# Altium PCB pcb.PcbDoc
Units mm, origin at the board's own origin, x right, y up, seen from the top; angles counter-clockwise.
Board outline 115 x 202.3 mm, 2 copper layers (Top Layer, Bottom Layer), stack 1.571 mm thick; 49 components, 120 nets, 339 pads, 0 vias.
Unrouted connection lines stored in the file: 211.
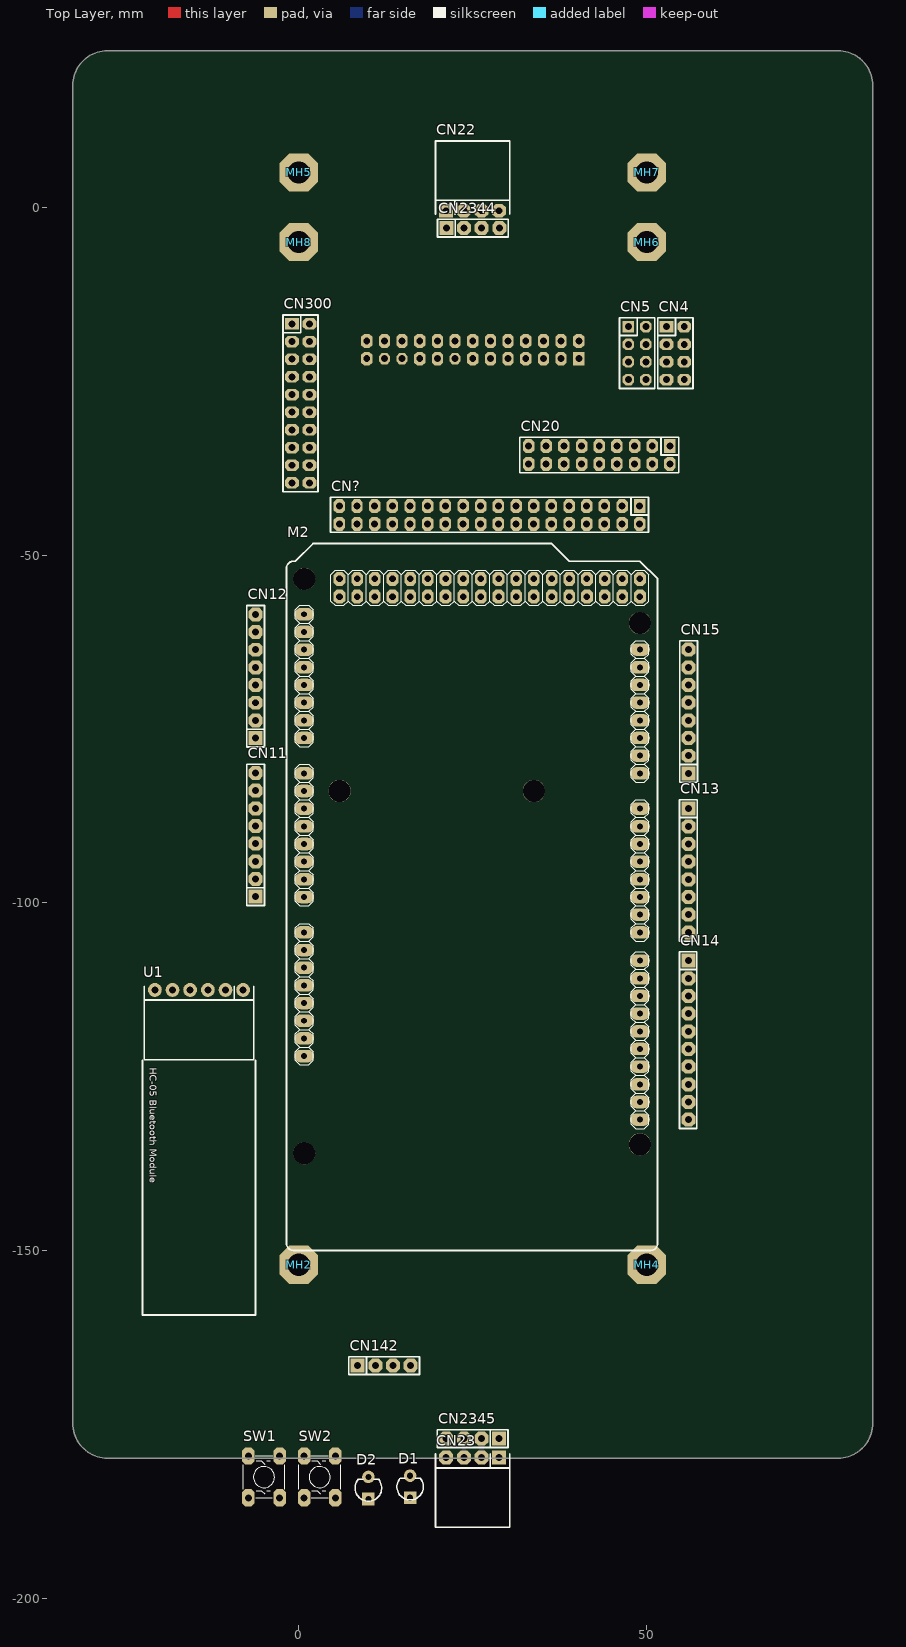
[diagram p0: Top Layer view]
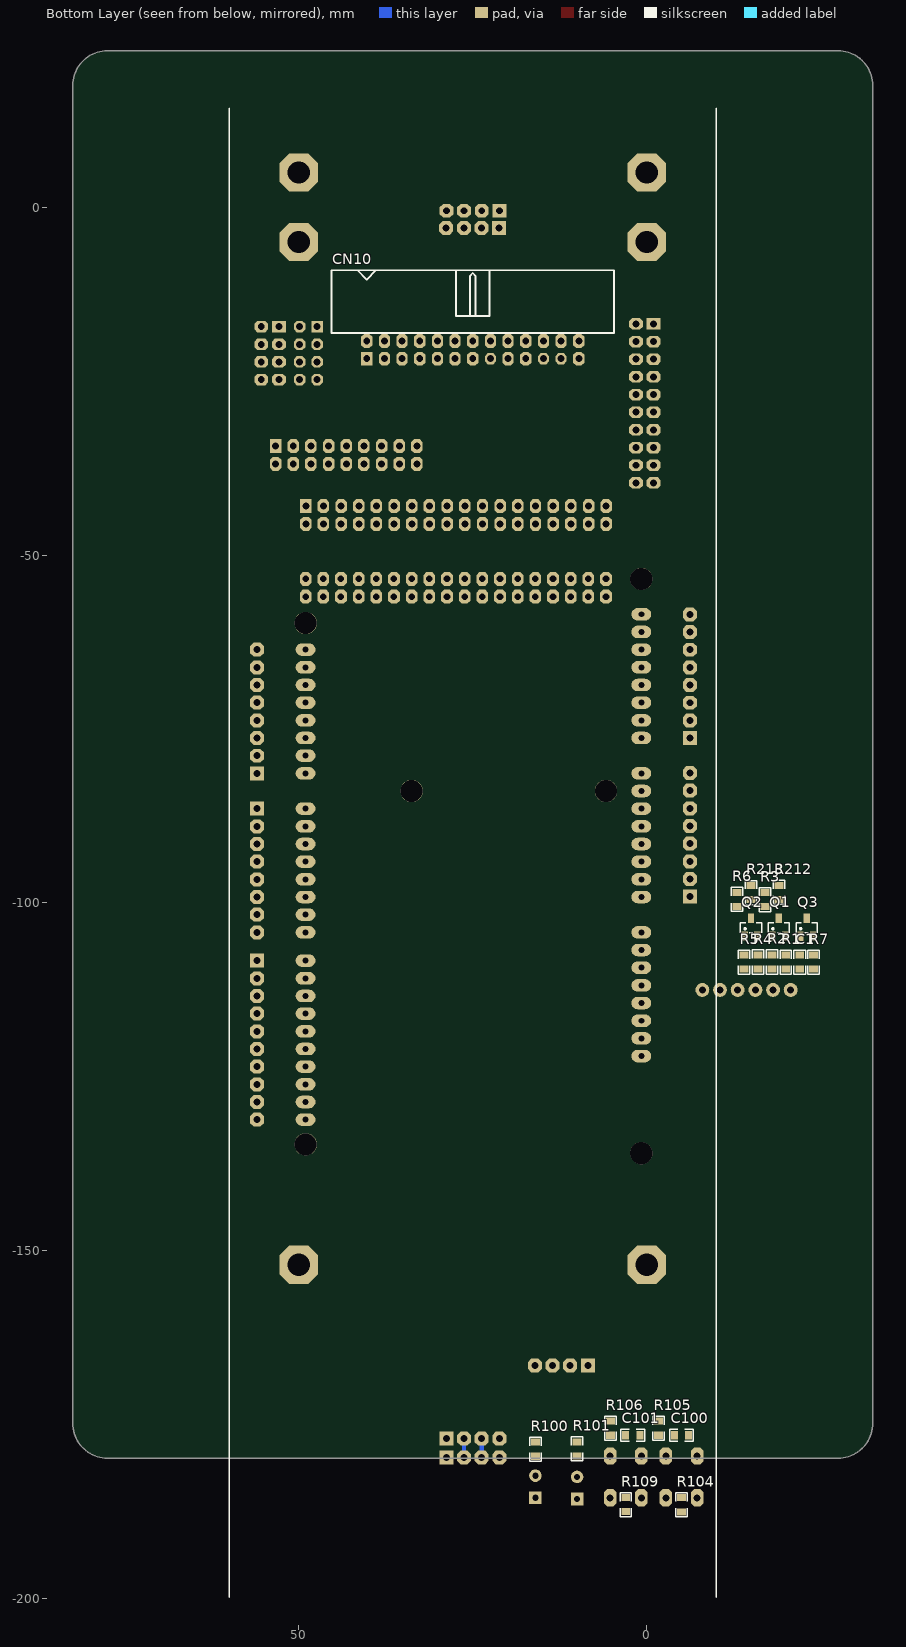
[diagram p1: Bottom Layer view, seen from below]

## Layer stack, top to bottom
Top Solder: solder mask 0.0102, Solder Resist, Dk 3.5
Top Layer: signal copper 0.0356
Dielectric 1: dielectric 1.5, FR-4, Dk 4.8
Bottom Layer: signal copper 0.0356
Bottom Solder: solder mask 0.0102, Solder Resist, Dk 3.5

## Board outline
-32.5,-174.8 ccw(c-27.5,-174.8) -27.5,-179.8 77.5,-179.8 ccw(c77.5,-174.8) 82.5,-174.8 82.5,17.5 ccw(c77.5,17.5) 77.5,22.5 -27.5,22.5 ccw(c-27.5,17.5) -32.5,17.5

## Design rules (kind name [scope] priority, off if disabled: settings)
Clearance [All] p1: gap=0.254 ignorepadtopadclearanceinfootprint=FALSE except(0: Arc-Hole Track-Hole SMDPad-Hole THPad-Hole Via-Hole Fill-Hole Poly-Hole Region-Hole Text-Hole)
PolygonConnect [All] p1: connectstyle=Relief reliefconductorwidth=0.254 reliefentries=4 polygonreliefangle="90 Angle" airgapwidth=0.254
RoomDefinition bluetooth [InComponentClass('bluetooth')] p1: confinementstyle=ConfineIn formatcopy=TRUE lockcomponents=FALSE outline -44,-200.5 153.505,-200.5 153.505,47.5 -44,47.5
RoomDefinition sch [InComponentClass('sch')] p2: confinementstyle=ConfineIn formatcopy=TRUE lockcomponents=FALSE outline -10,-159.5 113.26,-159.5 113.26,14.5 -10,14.5
RoutingVias [All] p1: holewidth=0.4 width=1.2 viastyle="Through Hole" minholewidth=0.4 minwidth=1.2 maxholewidth=0.4 maxwidth=1.2
SolderMaskExpansion [All] p1: expansion=0.102
Width [All] p1: maxlimit=3 minlimit=0.3 preferedwidth=0.6
30 further rules are at their usual default settings.

## Classes and differential pairs
component class sch: C100 C101 CN4 CN5 CN10 CN11 CN12 CN13 CN14 CN15 CN20 CN22 CN23 CN142 CN300 CN2344 CN2345 CN? D1 D2 M2 MH2 MH4 MH5 MH6 MH7 MH8 R100 R101 R104 R105 R106 R109 SW1 SW2
component class bluetooth: C1 Q1 Q2 Q3 R1 R2 R3 R4 R5 R6 R7 R212 R213 U1

## Components (designator, comment, footprint, x,y, rotation, side; value= is the part's Value field where it differs from the comment)
C1 "100nF" C0805 -22,-108.5 r90 bottom
C100 "10nF" C0805 -5,-176.5 r0 bottom
C101 "10nF" C0805 2,-176.5 r0 bottom
CN4 "CN_4x2" GP_4x2#1 52.86,-17.16 r270 top
CN5 "CN_4x2" GP_4x2#2 47.36,-17.16 r270 top
CN10 "IDC Connector" IDC26_RA 25,-20.5 r180 bottom
CN11 "CN_8x1" GP_8x1 -6.2,-99.1 r90 top
CN12 "CN_8x1" GP_8x1 -6.2,-76.3 r90 top
CN13 "CN_8x1" GP_8x1 56,-86.445 r270 top
CN14 "CN_10x1" GP_10x1 56,-108.289 r270 top
CN15 "CN_8x1" GP_8x1 56.025,-81.375 r90 top
CN20 "CN_9x2" GP_9x2 53.34,-34.34 r180 top
CN22 "CN_4x1" GP_4x1H_F 21.17,-0.5 r0 top
CN23 "CN_4x1" GP_4x1H_F 28.8,-179.7 r180 top
CN142 "CN_4x1" GP_4x1 8.46,-166.5 r0 top
CN300 "CN_10x2" GP_10x2 -1,-16.76 r270 top
CN2344 "CN_4x1" GP_4x1 21.2,-3 r0 top
CN2345 "CN_4x1" GP_4x1 28.8,-177 r180 top
CN? "CN_18x2" GP_18x2 49,-45.5 r180 top
D1 "LED" "LED-Polarized - 3mm" 16,-185.5 r90 top
D2 "LED" "LED-Polarized - 3mm" 10,-185.675 r90 top
M2 "Arduino MEGA Rev3" ARDUINO_MEGA_UPSIDE_DOWN 24.9,-94.7 r90 top
MH2 "MHOLE 3mm" "3mm screw drill I"#1 0,-152 r0 top locked
MH4 "MHOLE 3mm" "3mm screw drill I"#1 50,-152 r0 top locked
MH5 "MHOLE 3mm" "3mm screw drill I"#2 0,0.5 r0 top locked
MH6 "MHOLE 3mm" "3mm screw drill I"#3 50,-7.5 r0 top locked
MH7 "MHOLE 3mm" "3mm screw drill I"#2 50,0.5 r0 top locked
MH8 "MHOLE 3mm" "3mm screw drill I"#3 0,-7.5 r0 top locked
Q1 "BSS138" SOT-23 -19,-103.5 r180 bottom
Q2 "BSS138" SOT-23 -15,-103.5 r180 bottom
Q3 "BC847A" SOT-23 -23,-103.5 r180 bottom
R1 "4k7" R0805 -20,-108.5 r90 bottom
R2 "10k" R0805 -18,-108.484 r270 bottom
R3 "10k" R0805 -17,-99.516 r270 bottom
R4 "0R" R0805 -16,-108.484 r90 bottom
R5 "10k" R0805 -14,-108.5 r270 bottom
R6 "10k" R0805 -13,-99.5 r270 bottom
R7 "10k" R0805 -24,-108.5 r90 bottom
R100 "=Value" R0805 16,-178.516 r270 bottom
R101 "=Value" R0805 10,-178.484 r270 bottom
R104 "=Value" R0805 -5,-186.5 r270 bottom
R105 "=Value" R0805 -1.7,-175.5 r270 bottom
R106 "=Value" R0805 5.2,-175.5 r270 bottom
R109 "=Value" R0805 3,-186.484 r270 bottom
R212 "0R" R0805 -19,-98.484 r90 bottom
R213 "0R" R0805 -15,-98.5 r90 bottom
SW1 "TACT-64K-F" TACT-64K-F -5,-182.5 r90 top
SW2 "TACT-64K-F" TACT-64K-F 3,-182.5 r90 top
U1 "HC-05 BTM" HC-05_H -14.35,-112.5 r180 top

## Footprints (in the part's own frame and the unit in brackets; to place one, negate y for a bottom-side part, rotate by r counter-clockwise, add the part's x,y. Pads: shape width x height; smd on the part's side, far side on the other; paste and mask are expansions set on the pad)
"3mm screw drill I"#1 [mm]
  oct 5.5x5.5 hole 3.2: 1(0,0)
  body extent -2.75,-2.75 2.75,2.75, height 2
"3mm screw drill I"#2 [mm]
  oct 5.5x5.5 hole 3.2: 1(0,4.5)
  body extent -2.75,-2.75 2.75,2.75, height 2
"3mm screw drill I"#3 [mm]
  oct 5.5x5.5 hole 3.2: 1(0,2.5)
  body extent -2.75,-2.75 2.75,2.75, height 2
ARDUINO_MEGA_UPSIDE_DOWN [mil]
  round 125.98 hole 125.98: 1(-1625,950) 1(-1575,-950) 1(425,750) 1(425,-350) 1(1375,-950) 1(1625,950)
  oval 70.87x112 hole 33.46: A0(-175,950) A1(-75,950) A2(25,950) A3(125,950) A4(225,950) A5(325,950) A6(425,950) A7(525,950) A8(725,950) A9(825,950) A10(925,950) A11(1025,950) A12(1125,950) A13(1225,950) A14(1325,950) A15(1425,950) D0(325,-950) D1(225,-950) D2(125,-950) D3(25,-950) D4(-75,-950) D5(-175,-950) D6(-275,-950) D7(-375,-950) D8(-535,-950) D9(-635,-950) D10(-735,-950) D11(-835,-950) D12(-935,-950) D13(-1035,-950) D14(-1135,-950) D15(-1235,-950) D16(-1335,-950) D17(-1435,-950) D18(525,-950) D19(625,-950) D20(725,-950) D21(825,-950) D22(925,-950) D23(1025,-950) D24(1125,-950) D25(1225,-950) P1(-1075,950) P2(-975,950) P3(-875,950) P4(-775,950) P5(-675,950) P6(-575,950) P7(-475,950) P8(-375,950)
  oct 78.74x66 hole 37.4: D26(1525,-950) D27(1625,-950) D28(1525,-850) D29(1625,-850) D30(1525,-750) D31(1625,-750) D32(1525,-650) D33(1625,-650) D34(1525,-550) D35(1625,-550) D36(1525,-450) D37(1625,-450) D38(1525,-350) D39(1625,-350) D40(1525,-250) D41(1625,-250) D42(1525,-150) D43(1625,-150) D44(1525,-50) D45(1625,-50) D46(1525,50) D47(1625,50) D48(1525,150) D49(1625,150) D50(1525,250) D51(1625,250) D52(1525,350) D53(1625,350) D54(1525,450) D55(1625,450) D56(1525,550) D57(1625,550) D58(1525,650) D59(1625,650) D60(1525,750) D61(1625,750)
  silkscreen extent -2175,-1050 1825,1050, body extent -2425,-1050 1825,1050, height 693
C0805 [mil]
  rect 40x50 smd: 1(-40,0) 2(40,0)
  silkscreen extent -68,-33 68,33, body extent -39,-25 39,25, height 31
GP_4x1 [mm]
  rect 2x2 hole 1: 1(0,0)
  oct 2x2 hole 1: 2(2.54,0) 3(5.08,0) 4(7.62,0)
  silkscreen extent -1.27,-1.27 8.89,1.27, body extent -1.27,-1.27 8.89,1.27, height 8.38
GP_4x1H_F [mm]
  rect 2x2 hole 1: 1(0,0)
  oct 2x2 hole 1: 2(2.54,0) 3(5.08,0) 4(7.62,0)
  silkscreen extent -1.52,-0.51 9.14,10.03, body extent -1.52,-0.25 9.14,9.98, height 2.46
GP_4x2#1 [mm]
  rect 1.651x2 hole 1: 1(0,0)
  oct 1.651x2 hole 1: 2(0,2.54) 3(2.54,0) 4(2.54,2.54) 5(5.08,0) 6(5.08,2.54) 7(7.62,0) 8(7.62,2.54)
  silkscreen extent -1.27,-1.27 8.89,3.81, body extent -1.27,-1.27 8.89,3.81, height 8.38
GP_4x2#2 [mm]
  rect 1.651x1.651 hole 1: 1(0,0)
  oct 1.651x1.651 hole 1: 2(0,2.54) 3(2.54,0) 4(2.54,2.54) 5(5.08,0) 6(5.08,2.54) 7(7.62,0) 8(7.62,2.54)
  silkscreen extent -1.27,-1.27 8.89,3.81, body extent -1.27,-1.27 8.89,3.81, height 8.38
GP_8x1 [mm]
  rect 2x2 hole 1: 1(0,0)
  oct 2x2 hole 1: 2(2.54,0) 3(5.08,0) 4(7.62,0) 5(10.16,0) 6(12.7,0) 7(15.24,0) 8(17.78,0)
  silkscreen extent -1.27,-1.27 19.05,1.27, body extent -1.27,-1.27 19.05,1.27, height 8.38
GP_9x2 [mm]
  rect 1.651x2 hole 1: 1(0,0)
  oct 1.651x2 hole 1: 2(0,2.54) 3(2.54,0) 4(2.54,2.54) 5(5.08,0) 6(5.08,2.54) 7(7.62,0) 8(7.62,2.54) 9(10.16,0) 10(10.16,2.54) 11(12.7,0) 12(12.7,2.54) 13(15.24,0) 14(15.24,2.54) 15(17.78,0) 16(17.78,2.54) 17(20.32,0) 18(20.32,2.54)
  silkscreen extent -1.27,-1.27 21.59,3.81, body extent -1.27,-1.27 21.59,3.81, height 8.38
GP_10x1 [mm]
  rect 2x2 hole 1: 1(0,0)
  oct 2x2 hole 1: 2(2.54,0) 3(5.08,0) 4(7.62,0) 5(10.16,0) 6(12.7,0) 7(15.24,0) 8(17.78,0) 9(20.32,0) 10(22.86,0)
  silkscreen extent -1.27,-1.27 24.13,1.2, body extent -1.27,-1.27 24.13,1.27, height 8.38
GP_10x2 [mm]
  rect 1.65x2 hole 1: 1(0,0)
  oct 1.65x2 hole 1: 2(0,2.54) 3(2.54,0) 4(2.54,2.54) 5(5.08,0) 6(5.08,2.54) 7(7.62,0) 8(7.62,2.54) 9(10.16,0) 10(10.16,2.54) 11(12.7,0) 12(12.7,2.54) 13(15.24,0) 14(15.24,2.54) 15(17.78,0) 16(17.78,2.54) 17(20.32,0) 18(20.32,2.54) 19(22.86,0) 20(22.86,2.54)
  silkscreen extent -1.27,-1.27 24.13,3.74, body extent -1.27,-1.27 24.13,3.81, height 8.38
GP_18x2 [mm]
  rect 1.65x2 hole 1: 1(0,-2.54)
  oct 1.65x2 hole 1: 2(0,0) 3(2.54,-2.54) 4(2.54,0) 5(5.08,-2.54) 6(5.08,0) 7(7.62,-2.54) 8(7.62,0) 9(10.16,-2.54) 10(10.16,0) 11(12.7,-2.54) 12(12.7,0) 13(15.24,-2.54) 14(15.24,0) 15(17.78,-2.54) 16(17.78,0) 17(20.32,-2.54) 18(20.32,0) 19(22.86,-2.54) 20(22.86,0) 21(25.4,-2.54) 22(25.4,0) 23(27.94,-2.54) 24(27.94,0) 25(30.48,-2.54) 26(30.48,0) 27(33.02,-2.54) 28(33.02,0) 29(35.56,-2.54) 30(35.56,0) 31(38.1,-2.54) 32(38.1,0) 33(40.64,-2.54) 34(40.64,0) 35(43.18,-2.54) 36(43.18,0)
  silkscreen extent -1.27,-3.81 44.45,1.2, body extent -1.27,-3.81 44.45,1.27, height 8.38
HC-05_H [mm] "HC-05 Bluetooth Module, Mounted Horizontally"
  round 2 hole 1: 1(6.35,0) 2(3.81,0) 3(1.27,0) 4(-1.27,0) 5(-3.81,0) 6(-6.35,0)
  silkscreen extent -8.13,-0.51 8.13,46.74, body extent -8.05,-0.25 8.05,46.41, height 7
IDC26_RA [mm] "2.54mm, 26 Pin IDC Male Connector, Right Angle"
  rect 1.6x2 hole 1: 1(-15.24,-1.27)
  oct 1.6x2 hole 1: 2(-15.24,1.27) 3(-12.7,-1.27) 4(-12.7,1.27) 5(-10.16,-1.27) 6(-10.16,1.27) 7(-7.62,-1.27) 8(-7.62,1.27) 9(-5.08,-1.27) 10(-5.08,1.27) 11(-2.54,-1.27) 12(-2.54,1.27) 13(0,-1.27) 14(0,1.27) 16(2.54,1.27) 17(5.08,-1.27) 18(5.08,1.27) 19(7.62,-1.27) 20(7.62,1.27) 22(10.16,1.27) 24(12.7,1.27) 25(15.24,-1.27) 26(15.24,1.27)
  oct 1.6x1.6 hole 1: 15(2.54,-1.27) 21(10.16,-1.27) 23(12.7,-1.27)
  silkscreen extent -20.32,2.41 20.32,11.43, body extent -20.32,-1.52 20.32,11.43, height 9.46
"LED-Polarized - 3mm" [mm]
  rect 1.8x1.8 hole 0.889: 1(0,0)
  round 1.8 hole 0.889: 2(3.175,0)
  silkscreen extent -0.32,-1.9 2.82,1.9
R0805 [mil]
  rect 40x50 smd: 1(-40,0) 2(40,0)
  silkscreen extent -68,-32 68,32, body extent -39,-25 39,25, height 31
SOT-23 [mm]
  rect 0.9x1.4 smd: 1(-0.9,-1.3) 2(0.9,-1.3) 3(0,1.3)
  silkscreen extent -1.52,-0.76 1.52,0.64, body extent -1.46,-1.25 1.46,1.23, height 1
TACT-64K-F [mm]
  oct 2.5x1.8 hole 1: 1(-3,2.25) 1(3,2.25) 2(-3,-2.25) 2(3,-2.25)
  silkscreen extent -2.97,-3 3.02,3, body extent -4.01,-3.02 3.97,2.98, height 4.9

## Part data
C1 C100 C101: library part Cap, "Capacitor", ComponentLink1Description=datasheet, ComponentLink2Description=supplier
CN10: library part CN_13x2
D1 D2: "Typical RED, GREEN, YELLOW, AMBER GaAs LED", Published=04-Apr-2006
M2: "Arduino MEGA Rev3 Board"
MH2 MH4 MH5 MH6 MH7 MH8: library part MHOLE_3MM, "3mm Mounting Hole"
Q1 Q2: "N-Channel Enhancement Mode Vertical DMOS FET", ComponentLink1Description="Manufacturer Link", ComponentLink1URL=http://www.zetex.com/, ComponentLink2Description=Datasheet, ComponentLink2URL=www.zetex.com/3.0/pdf/BSS138.pdf, DatasheetVersion=Mar-96, PackageDescription="SOT-23; 3 Leads; Body 3.1 x 2.5 mm, inc. leads (LxW max), Alternate Lead Configuration", PackageReference=SOT23, PackageVersion=1996, Published=17-Dec-2003, Publisher="Altium Limited"
Q3: "NPN General Purpose Transistor (VCE=45V, IC=100mA, HFE=110-220)", PowerRating=250mW, Supplier Part Number 1=BC847A-DIO, HFE=110-220, IC=100mA, Supplier 1=TME, Supplier 2=Farnell, Supplier 3=Farnell, Supplier 4=Farnell, Supplier 5=Farnell, Supplier Part Number 2=1081231, Supplier Part Number 3=1081231RL, Supplier Part Number 4=1459037RL, Supplier Part Number 5=1459037, VCEO=45V
R1 R2 R3 R4 R5 R6 R7 R100 R101 R104 R105 R106 R109 R212 R213: library part Res, "Resistor", ComponentLink1Description=datasheet, ComponentLink2Description=supplier, Published=19-Feb-2006
SW1 SW2: "6x6mm THT Tactile SPST-NO Switch", Published=30-Jun-2006
U1: library part HC-05_BTM, "HC-05 Bluetooth Module"

## Nets (pads, with @x,y where several pads share a name; then routed paths per layer and width w, separated by ;. In a path a pad name is that pad's centre, name@x,y a point inside that pad or via, vN(x,y) a via of type N, cw(c..) or ccw(c..) an arc to the next point about the centre after c; other vN are vias at no path point)
3V3: CN4.5 CN4.6 CN5.5 CN5.6 CN10.3 CN10.4
5V0: CN4.3 CN4.4 CN5.3 CN5.4 CN10.1 CN10.2
7V2: CN4.1 CN4.2 CN5.1 CN5.2 CN10.6 M2.P8
ARD_3V3: M2.P4 Q1.1 Q2.1 R2.1 R5.1
ARD_5V0: CN22.4 CN23.4 CN2344.4 CN2345.4 D1.1 D2.1 M2.P5 R3.1 R6.1 R104.2 R109.2 U1.5
ECHO: CN22.2 CN2344.2
EN_LEFT: CN10.10 CN20.5 CN20.6
EN_RIGHT: CN10.9 CN20.7 CN20.8
GND: C100.1 C101.1 CN4.7 CN4.8 CN5.7 CN5.8 CN10.5 CN10.21 CN10.23 CN14.7 CN20.17 CN20.18 CN22.1 CN23.1 CN300.19 CN300.20 CN2344.1 CN2345.1 CN?.35 CN?.36 M2.D14 M2.D60 M2.D61 M2.P6 M2.P7 MH2.1 MH4.1 MH5.1 MH6.1 MH7.1 MH8.1 Q3.2 R7.2 SW1.1 SW2.1 U1.4
LD1: CN10.14 CN300.3 CN300.4
LD2: CN10.16 CN300.5 CN300.6
LD3: CN10.18 CN300.7 CN300.8
LD4: CN10.20 CN300.9 CN300.10
LD5: CN10.22 CN300.11 CN300.12
LD6: CN10.24 CN300.13 CN300.14
LEDON: CN10.13 CN300.1 CN300.2
LIGHTS_FRONT: CN10.17 CN20.13 CN20.14
LIGHTS_REAR: CN10.19 CN20.15 CN20.16
LIGHTS_TURN_LEFT: CN10.25 CN300.17 CN300.18
LIGHTS_TURN_RIGHT: CN10.26 CN300.15 CN300.16
NetC1_2: C1.2 Q3.1 R7.1
NetC100_2: C100.2 R104.1 R105.2 SW1.2
NetC101_2: C101.2 R106.2 R109.1 SW2.2
NetCN11_1: CN11.1 M2.A0
NetCN11_2: CN11.2 M2.A1
NetCN11_3: CN11.3 M2.A2
NetCN11_4: CN11.4 M2.A3
NetCN11_5: CN11.5 M2.A4
NetCN11_6: CN11.6 M2.A5
NetCN11_7: CN11.7 M2.A6
NetCN11_8: CN11.8 M2.A7
NetCN12_1: CN12.1 M2.A8
NetCN12_2: CN12.2 M2.A9
NetCN12_3: CN12.3 M2.A10
NetCN12_4: CN12.4 M2.A11
NetCN12_5: CN12.5 M2.A12
NetCN12_6: CN12.6 M2.A13
NetCN12_7: CN12.7 M2.A14
NetCN12_8: CN12.8 M2.A15
NetCN13_3: CN13.3 M2.D2
NetCN13_4: CN13.4 M2.D3
NetCN13_5: CN13.5 M2.D4
NetCN13_6: CN13.6 M2.D5
NetCN13_7: CN13.7 M2.D6
NetCN13_8: CN13.8 M2.D7
NetCN14_1: CN14.1 M2.D8
NetCN14_2: CN14.2 M2.D9
NetCN14_3: CN14.3 M2.D10
NetCN14_4: CN14.4 M2.D11
NetCN14_5: CN14.5 M2.D12
NetCN14_6: CN14.6 M2.D13
NetCN14_8: CN14.8 M2.D15
NetCN14_9: CN14.9 M2.D16
NetCN14_10: CN14.10 M2.D17
NetCN15_1: CN15.1 M2.D18
NetCN15_2: CN15.2 M2.D19
NetCN15_3: CN15.3 M2.D20
NetCN15_4: CN15.4 M2.D21
NetCN15_5: CN15.5 M2.D22
NetCN15_6: CN15.6 M2.D23
NetCN15_7: CN15.7 M2.D24
NetCN15_8: CN15.8 M2.D25
NetCN23_2: CN23.2 CN2345.2
NetCN23_3: CN23.3 CN2345.3
NetCN142_1: CN142.1 R105.1
NetCN142_2: CN142.2 R106.1
NetCN142_3: CN142.3 R101.1
NetCN142_4: CN142.4 R100.1
NetCN?_1: CN?.1 M2.D26
NetCN?_2: CN?.2 M2.D27
NetCN?_3: CN?.3 M2.D28
NetCN?_4: CN?.4 M2.D29
NetCN?_5: CN?.5 M2.D30
NetCN?_6: CN?.6 M2.D31
NetCN?_7: CN?.7 M2.D32
NetCN?_8: CN?.8 M2.D33
NetCN?_9: CN?.9 M2.D34
NetCN?_10: CN?.10 M2.D35
NetCN?_11: CN?.11 M2.D36
NetCN?_12: CN?.12 M2.D37
NetCN?_13: CN?.13 M2.D38
NetCN?_14: CN?.14 M2.D39
NetCN?_15: CN?.15 M2.D40
NetCN?_16: CN?.16 M2.D41
NetCN?_17: CN?.17 M2.D42
NetCN?_18: CN?.18 M2.D43
NetCN?_19: CN?.19 M2.D44
NetCN?_20: CN?.20 M2.D45
NetCN?_21: CN?.21 M2.D46
NetCN?_22: CN?.22 M2.D47
NetCN?_23: CN?.23 M2.D48
NetCN?_24: CN?.24 M2.D49
NetCN?_25: CN?.25 M2.D50
NetCN?_26: CN?.26 M2.D51
NetCN?_27: CN?.27 M2.D52
NetCN?_28: CN?.28 M2.D53
NetCN?_29: CN?.29 M2.D54
NetCN?_30: CN?.30 M2.D55
NetCN?_31: CN?.31 M2.D56
NetCN?_32: CN?.32 M2.D57
NetCN?_33: CN?.33 M2.D58
NetCN?_34: CN?.34 M2.D59
NetD1_2: D1.2 R100.2
NetD2_2: D2.2 R101.2
NetQ1_2: Q1.2 R1.2 R2.2
NetQ1_3: Q1.3 R3.2 R212.1
NetQ2_2: Q2.2 R4.2 R5.2
NetQ2_3: Q2.3 R6.2 R213.1
nSLEEP_LEFT: CN10.8 CN20.1 CN20.2
nSLEEP_RIGHT: CN10.7 CN20.3 CN20.4
PH_LEFT: CN10.12 CN20.9 CN20.10
PH_RIGHT: CN10.11 CN20.11 CN20.12
RESET: M2.P3 Q3.3
RxD: CN13.1 M2.D0 R213.2
RxD_HC05: R4.1 U1.3
STATE: C1.1 U1.1
SYS_VCC: CN10.15 M2.P2
TRIG: CN22.3 CN2344.3
TxD: CN13.2 M2.D1 R212.2
TxD_HC05: R1.1 U1.2
pads on no net: M2.1 M2.P1 U1.6
copper on no net: | length 5.4
  Bottom Layer w0.6: 23.72,-179.5 23.72,-176.8 ; 26.26,-179.5 26.26,-176.8

## Silkscreen, mask and mechanical layers (free items; w line width, h text height)
Bottom Overlay:
  lines w0.256: -10,-199.8 -10,-9.07 -10,14.2 ; 60,-199.8 60,-9.07 60,14.2
Mechanical 1:
  lines w0.256: -10,-199.8 -10,-9.07 -10,14.2 ; 25,-199.8 25,-9.77 25,13.5 ; 60,-199.8 60,-9.07 60,14.2
Mechanical 2:
  text "TRIG" at 27.1,-9.9 h1.5 r90
  text "ECHO" at 24.5,-10.1 h1.5 r90
  text "LEDON" at -10.3,-17.5 h1.5
  text "7V2" at 57.7,-17.835 h1.5
  text "LD1" at -6.8,-20 h1.5
  text "5V0" at 57.7,-20.375 h1.5
  text "LD2" at -7.4,-22.5 h1.5
  text "3V3" at 57.7,-22.915 h1.5
  text "LD3" at -7.3,-25.1 h1.5
  text "GND" at 57.7,-25.455 h1.5
  text "LD4" at -7.3,-27.6 h1.5
  text "LD5" at -7.3,-30.2 h1.5
  text "GND" at 33.695,-32.04 h1.5 r90
  text "L_RER" at 36.235,-32.04 h1.5 r90
  text "L_FRN" at 38.775,-32.04 h1.5 r90
  text "PHL" at 41.315,-32.04 h1.5 r90
  text "PHR" at 43.855,-32.04 h1.5 r90
  text "ENL" at 46.395,-32.04 h1.5 r90
  text "ENR" at 48.935,-32.04 h1.5 r90
  text "SLPL" at 51.475,-32.04 h1.5 r90
  text "SLPR" at 54.015,-32.04 h1.5 r90
  text "LD6" at -7.3,-32.7 h1.5
  text "TS_R" at -8.8,-35.2 h1.5
  text "TS_L" at -8.8,-37.8 h1.5
  text "GND" at -7.3,-40.4 h1.5
  text "A15" at -12.2,-59.3 h1.5
  text "A14" at -12.2,-61.84 h1.5
  text "D21" at 58.325,-64.27 h1.5
  text "A13" at -12.2,-64.38 h1.5
  text "D20" at 58.325,-66.81 h1.5
  text "A12" at -12.2,-66.92 h1.5
  text "D19" at 58.325,-69.35 h1.5
  text "A11" at -12.2,-69.46 h1.5
  text "D18" at 58.325,-71.89 h1.5
  text "A10" at -12.2,-72 h1.5
  text "D17" at 58.325,-74.43 h1.5
  text "A9" at -10.9,-74.56 h1.5
  text "D16" at 58.325,-76.97 h1.5
  text "A8" at -10.9,-77.1 h1.5
  text "D15" at 58.325,-79.51 h1.5
  text "D14" at 58.325,-82.05 h1.5
  text "A7" at -10.9,-82.12 h1.5
  text "A6" at -10.9,-84.66 h1.5
  text "D0" at 58.3,-87.12 h1.5
  text "A5" at -10.9,-87.2 h1.5
  text "D1" at 58.3,-89.66 h1.5
  text "A4" at -10.9,-89.74 h1.5
  text "D2" at 58.3,-92.2 h1.5
  text "A3" at -10.9,-92.28 h1.5
  text "D3" at 58.3,-94.74 h1.5
  text "A2" at -10.9,-94.82 h1.5
  text "D4" at 58.3,-97.28 h1.5
  text "A1" at -10.9,-97.36 h1.5
  text "D5" at 58.3,-99.82 h1.5
  text "A0" at -10.9,-99.9 h1.5
  text "D6" at 58.3,-102.36 h1.5
  text "D7" at 58.3,-104.9 h1.5
  text "D8" at 58.3,-108.964 h1.5
  text "D9" at 58.3,-111.504 h1.5
  text "D10" at 58.3,-114.044 h1.5
  text "D11" at 58.3,-116.584 h1.5
  text "D12" at 58.3,-119.124 h1.5
  text "D13" at 58.3,-121.664 h1.5
  text "GND" at 58.3,-124.204 h1.5
  text "AREF" at 58.3,-126.744 h1.5
  text "SDA" at 58.3,-129.284 h1.5
  text "SCL" at 58.3,-131.824 h1.5
  text "SW1" at 9.18,-163.8 h1.5 r90
  text "SW2" at 11.72,-163.8 h1.5 r90
  text "L1" at 14.26,-163.8 h1.5 r90
  text "L2" at 16.8,-163.8 h1.5 r90
  text "TRIG" at 24.5,-174.6 h1.5 r90
  text "ECHO" at 26.9,-174.6 h1.5 r90
Mechanical 3:
  lines w0.2: -29.5,0 60,0
  lines w0.254: -5.1,-162.8 55.1,-162.8 ; -5,7.3 55.1,7.3 ; 82.5,17.5 82.5,-174.8 cw(c77.5,-174.8) 77.5,-179.8 -27.5,-179.8 cw(c-27.5,-174.8) -32.5,-174.8 -32.5,17.5 cw(c-27.5,17.5) -27.5,22.5 77.5,22.5 cw(c77.5,17.5) 82.5,17.5
  text "poczatek plytki POWER" at 13,5 h1.52
  text "os przednia" at -29,1 h1.52
  text "koniec plytki POWER" at 5.38,-162 h1.52

## Text inside footprints (layer, text, board x,y; h text height)
U1: Top Overlay "HC-05 Bluetooth Module" at -21.462,-123.676 h1 r270